# Altium PCB BCS1_REV2.2.PcbDoc (part 1 of 4)
Units mm, origin at the board's own origin, x right, y up, seen from the top; angles counter-clockwise.
Board outline 86.39 x 54.64 mm, 8 copper layers (TOP, LAYER 2 (Plane1), LAYER 3, LAYER 4_PWR1, LAYER 5_PWR2, LAYER 6, LAYER 7 (Plane2), BOTTOM), stack 1.674 mm thick; 201 components, 237 nets, 906 pads, 504 vias.
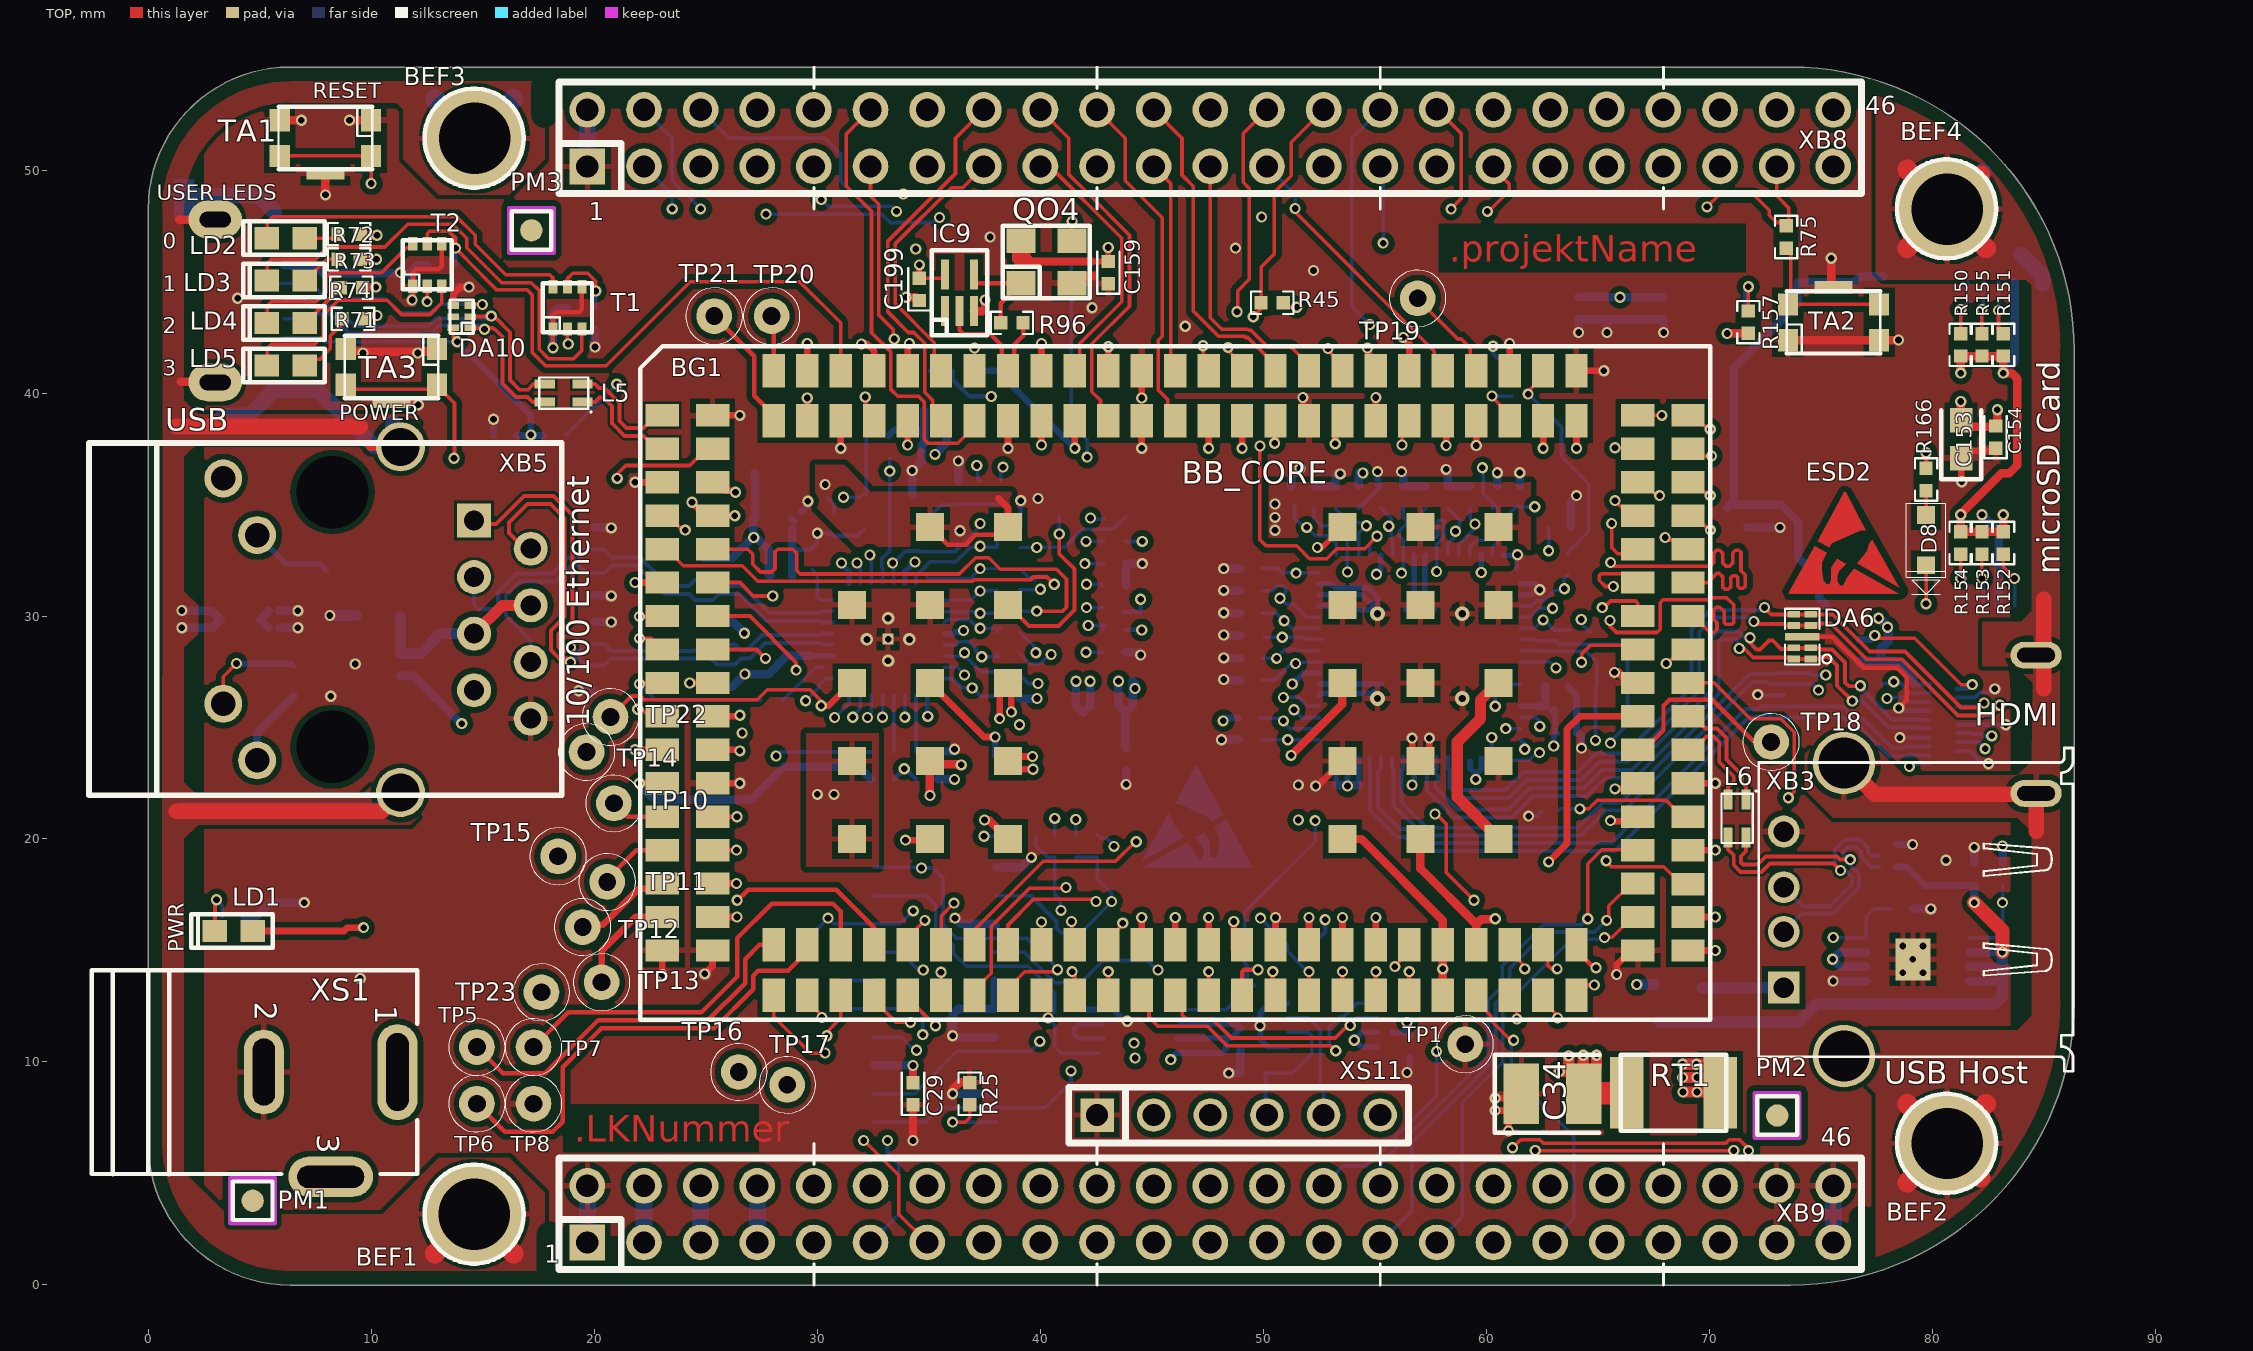
[diagram p0: TOP view]
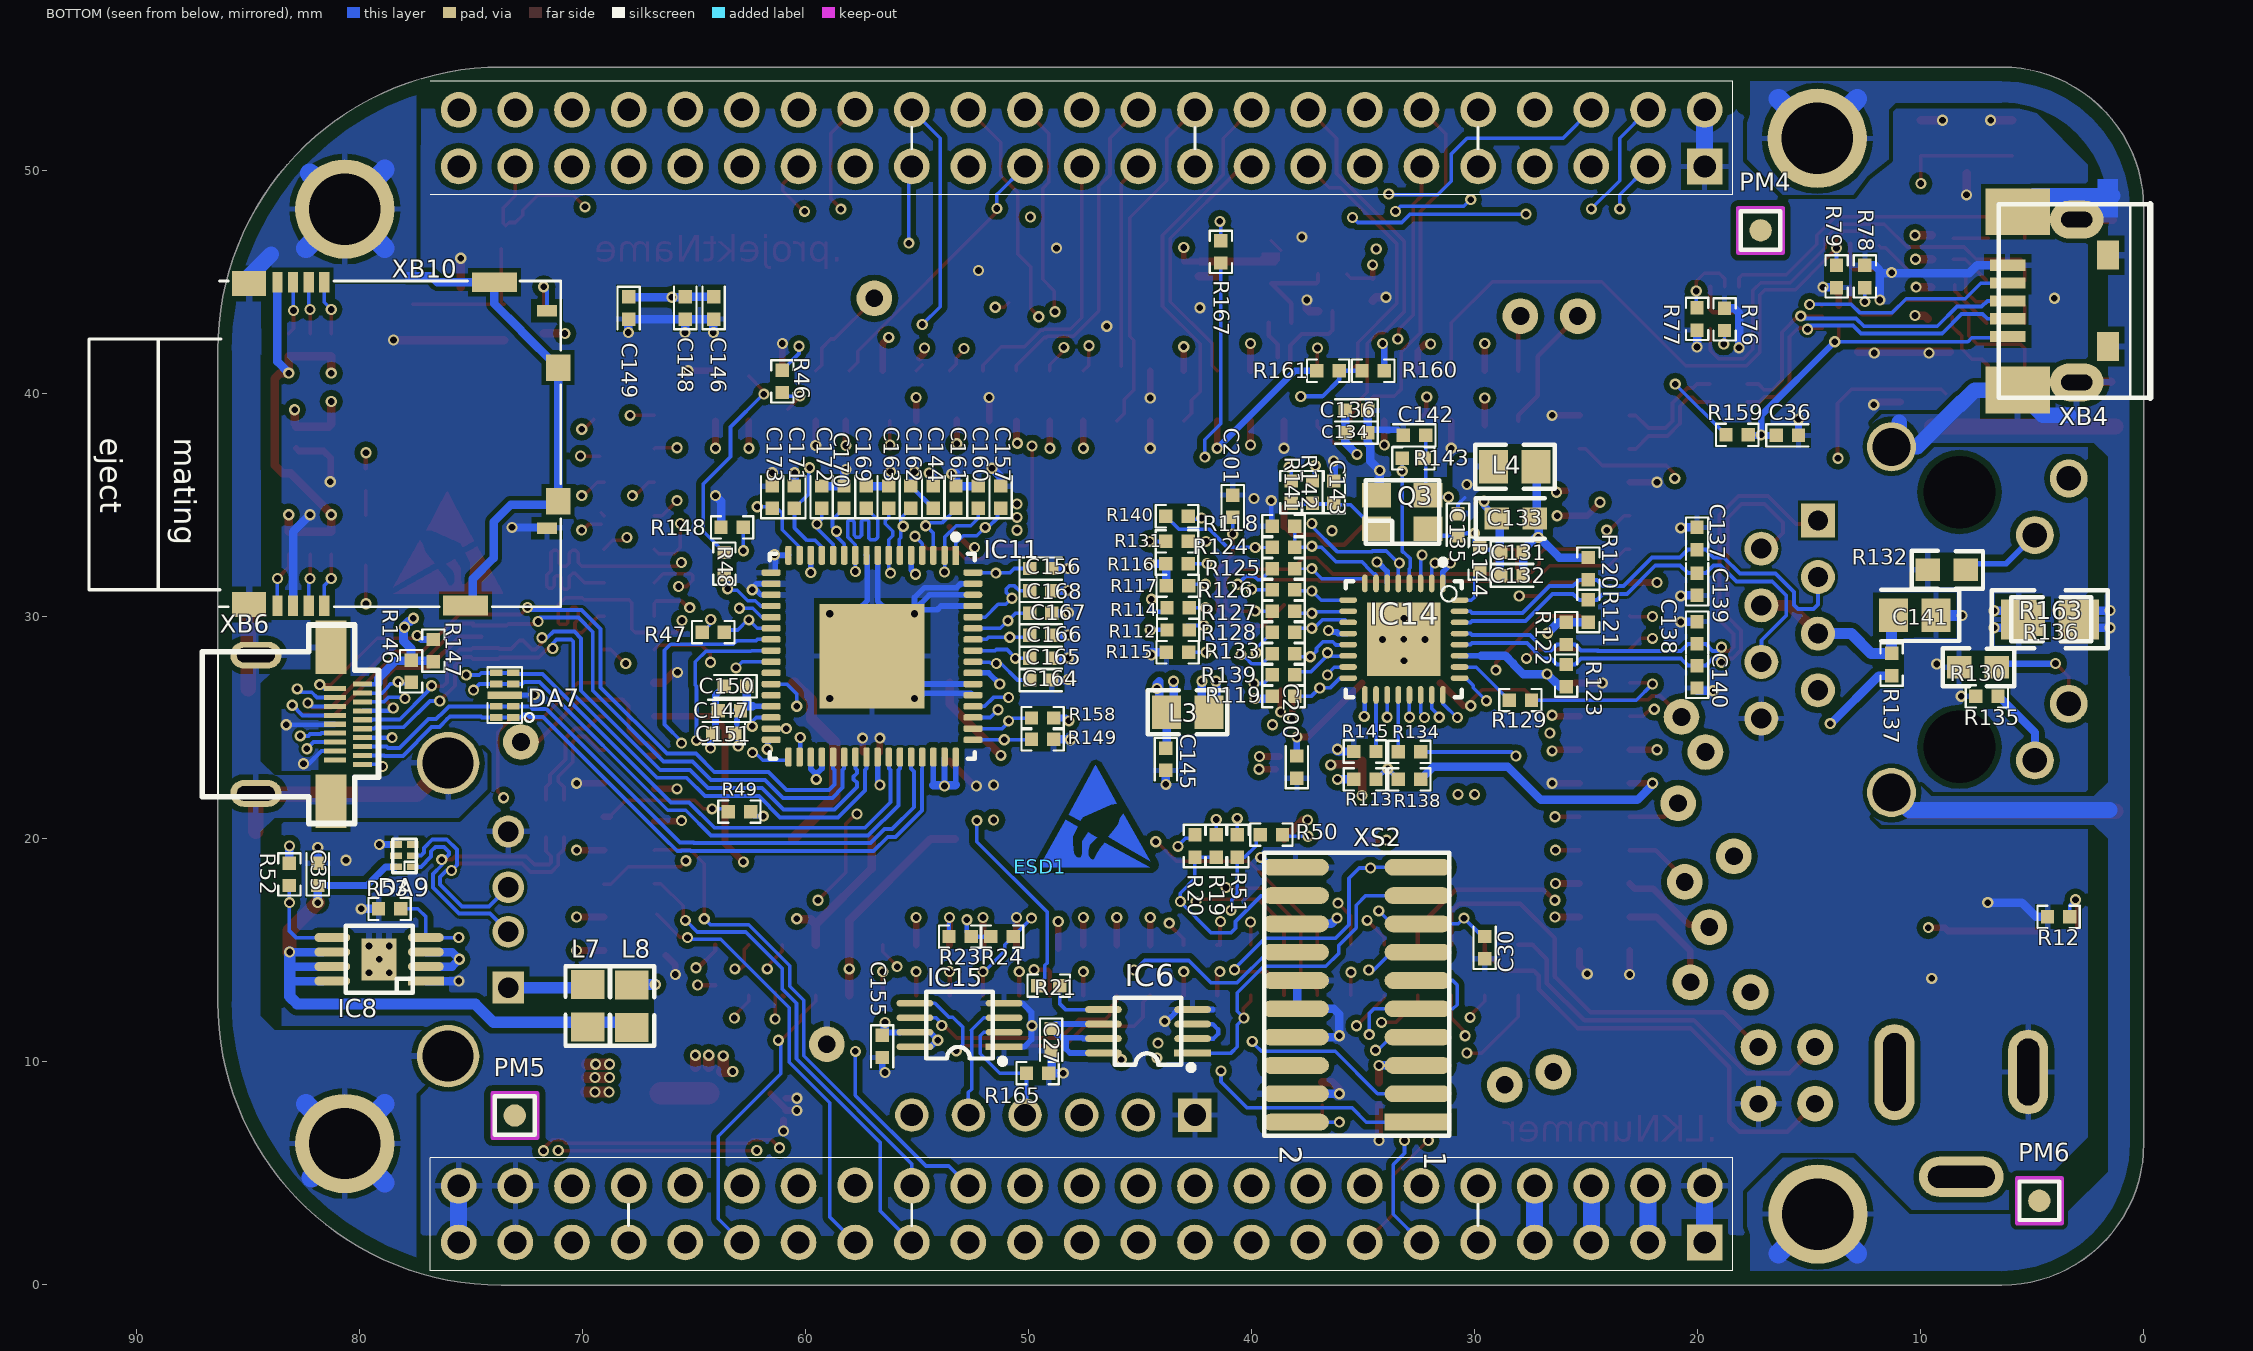
[diagram p1: BOTTOM view, seen from below]
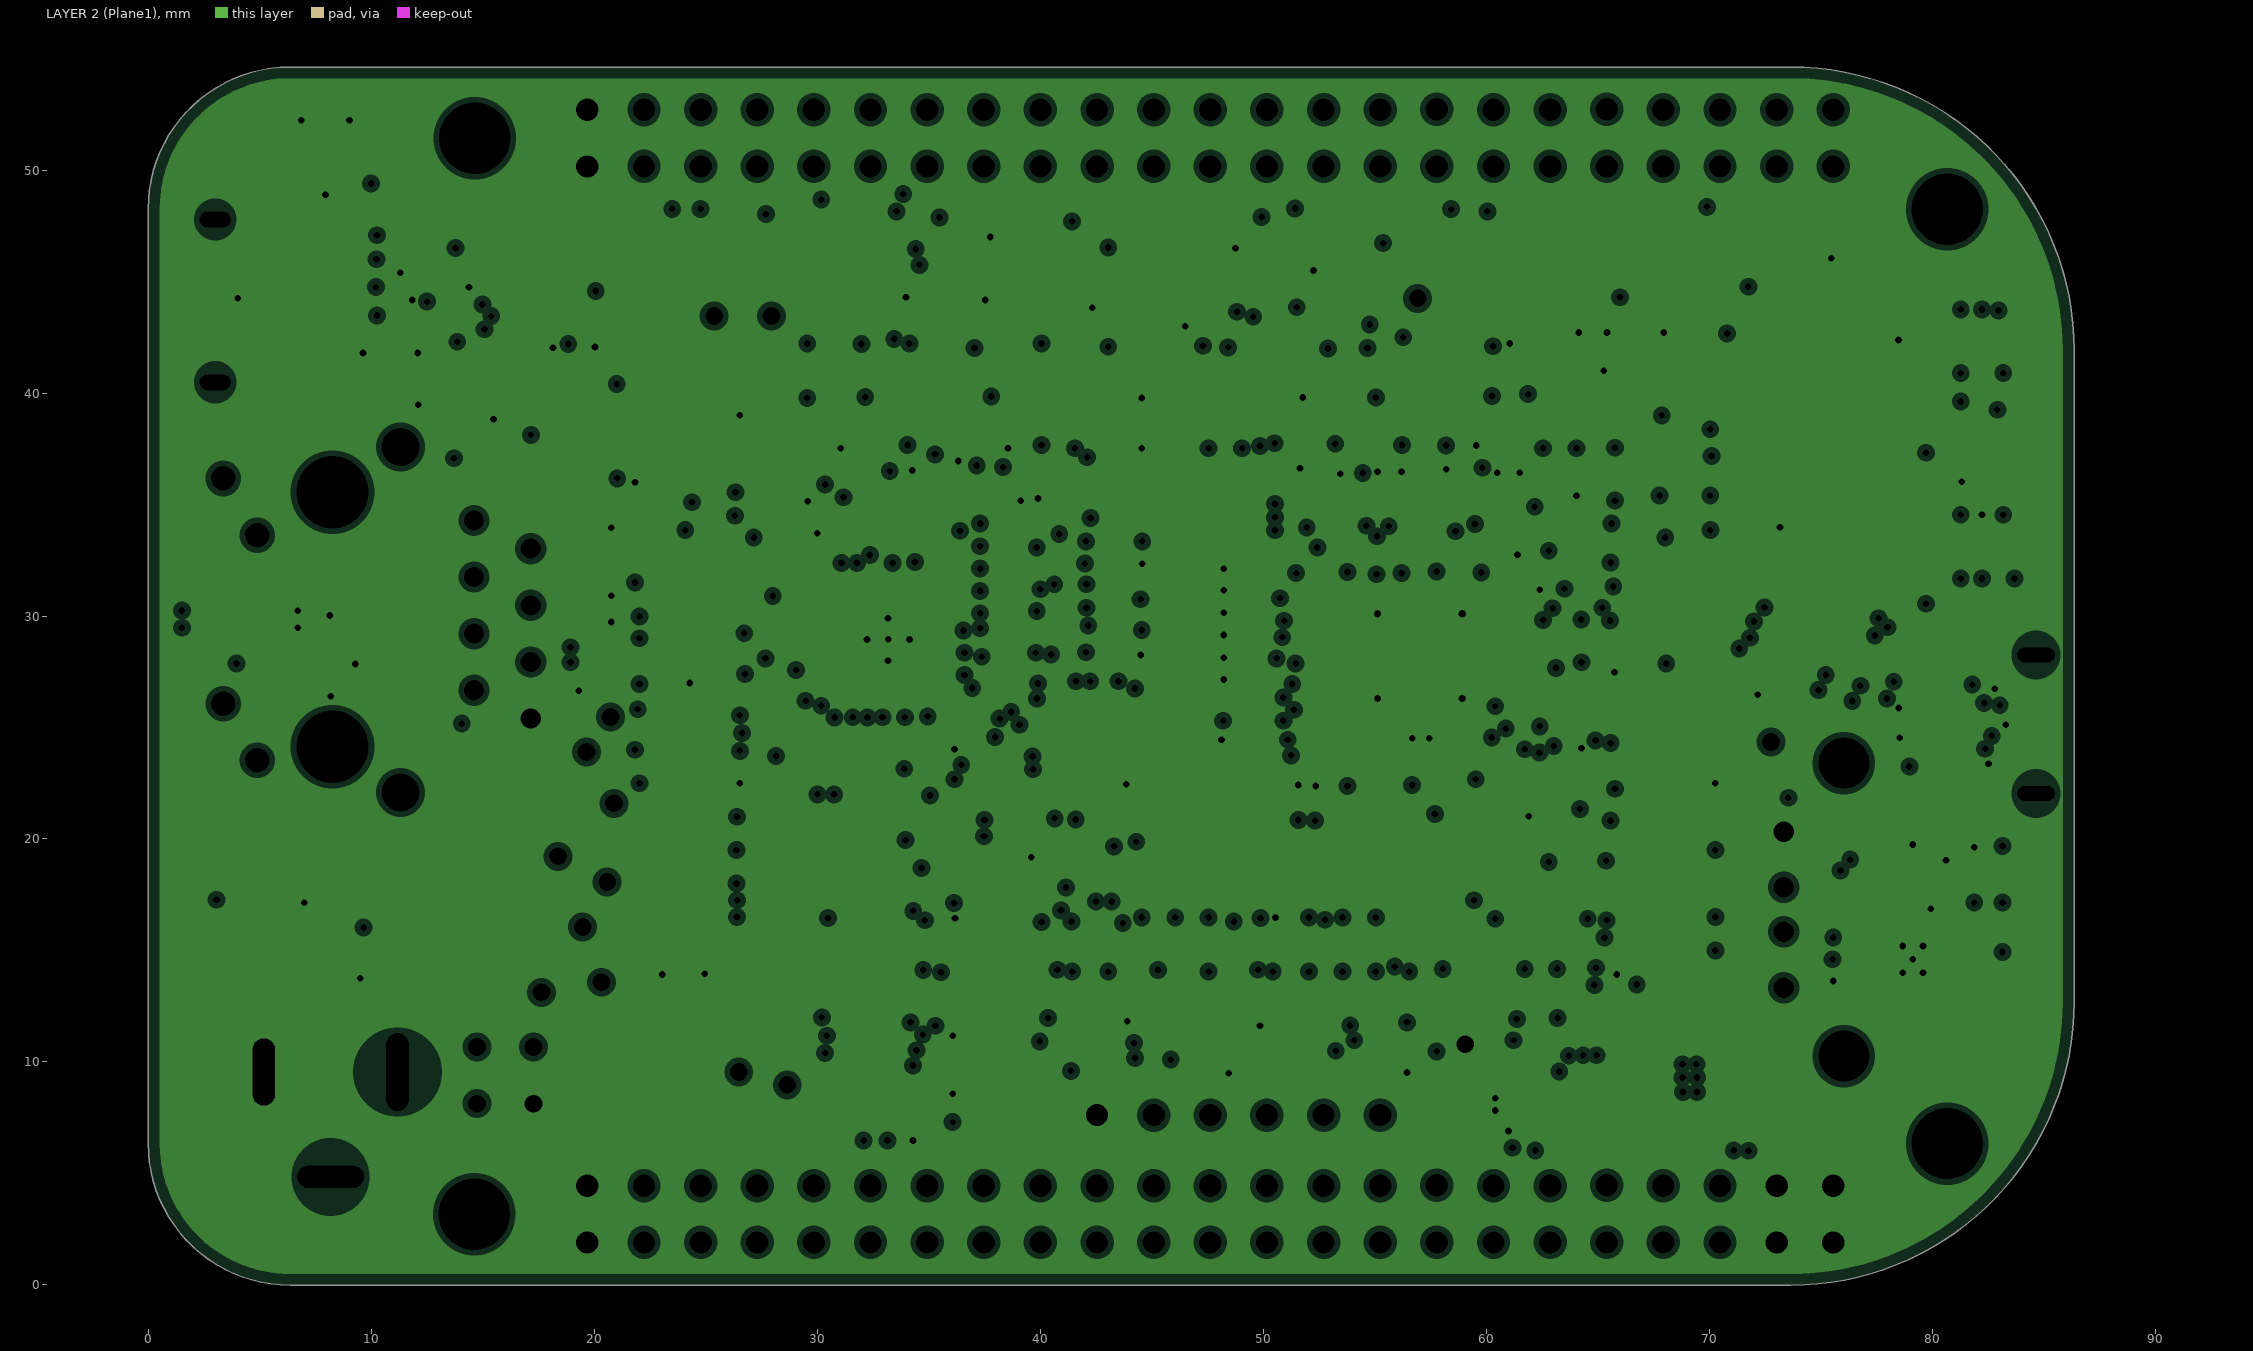
[diagram p2: LAYER 2 (Plane1), clearances drawn from the general rule]
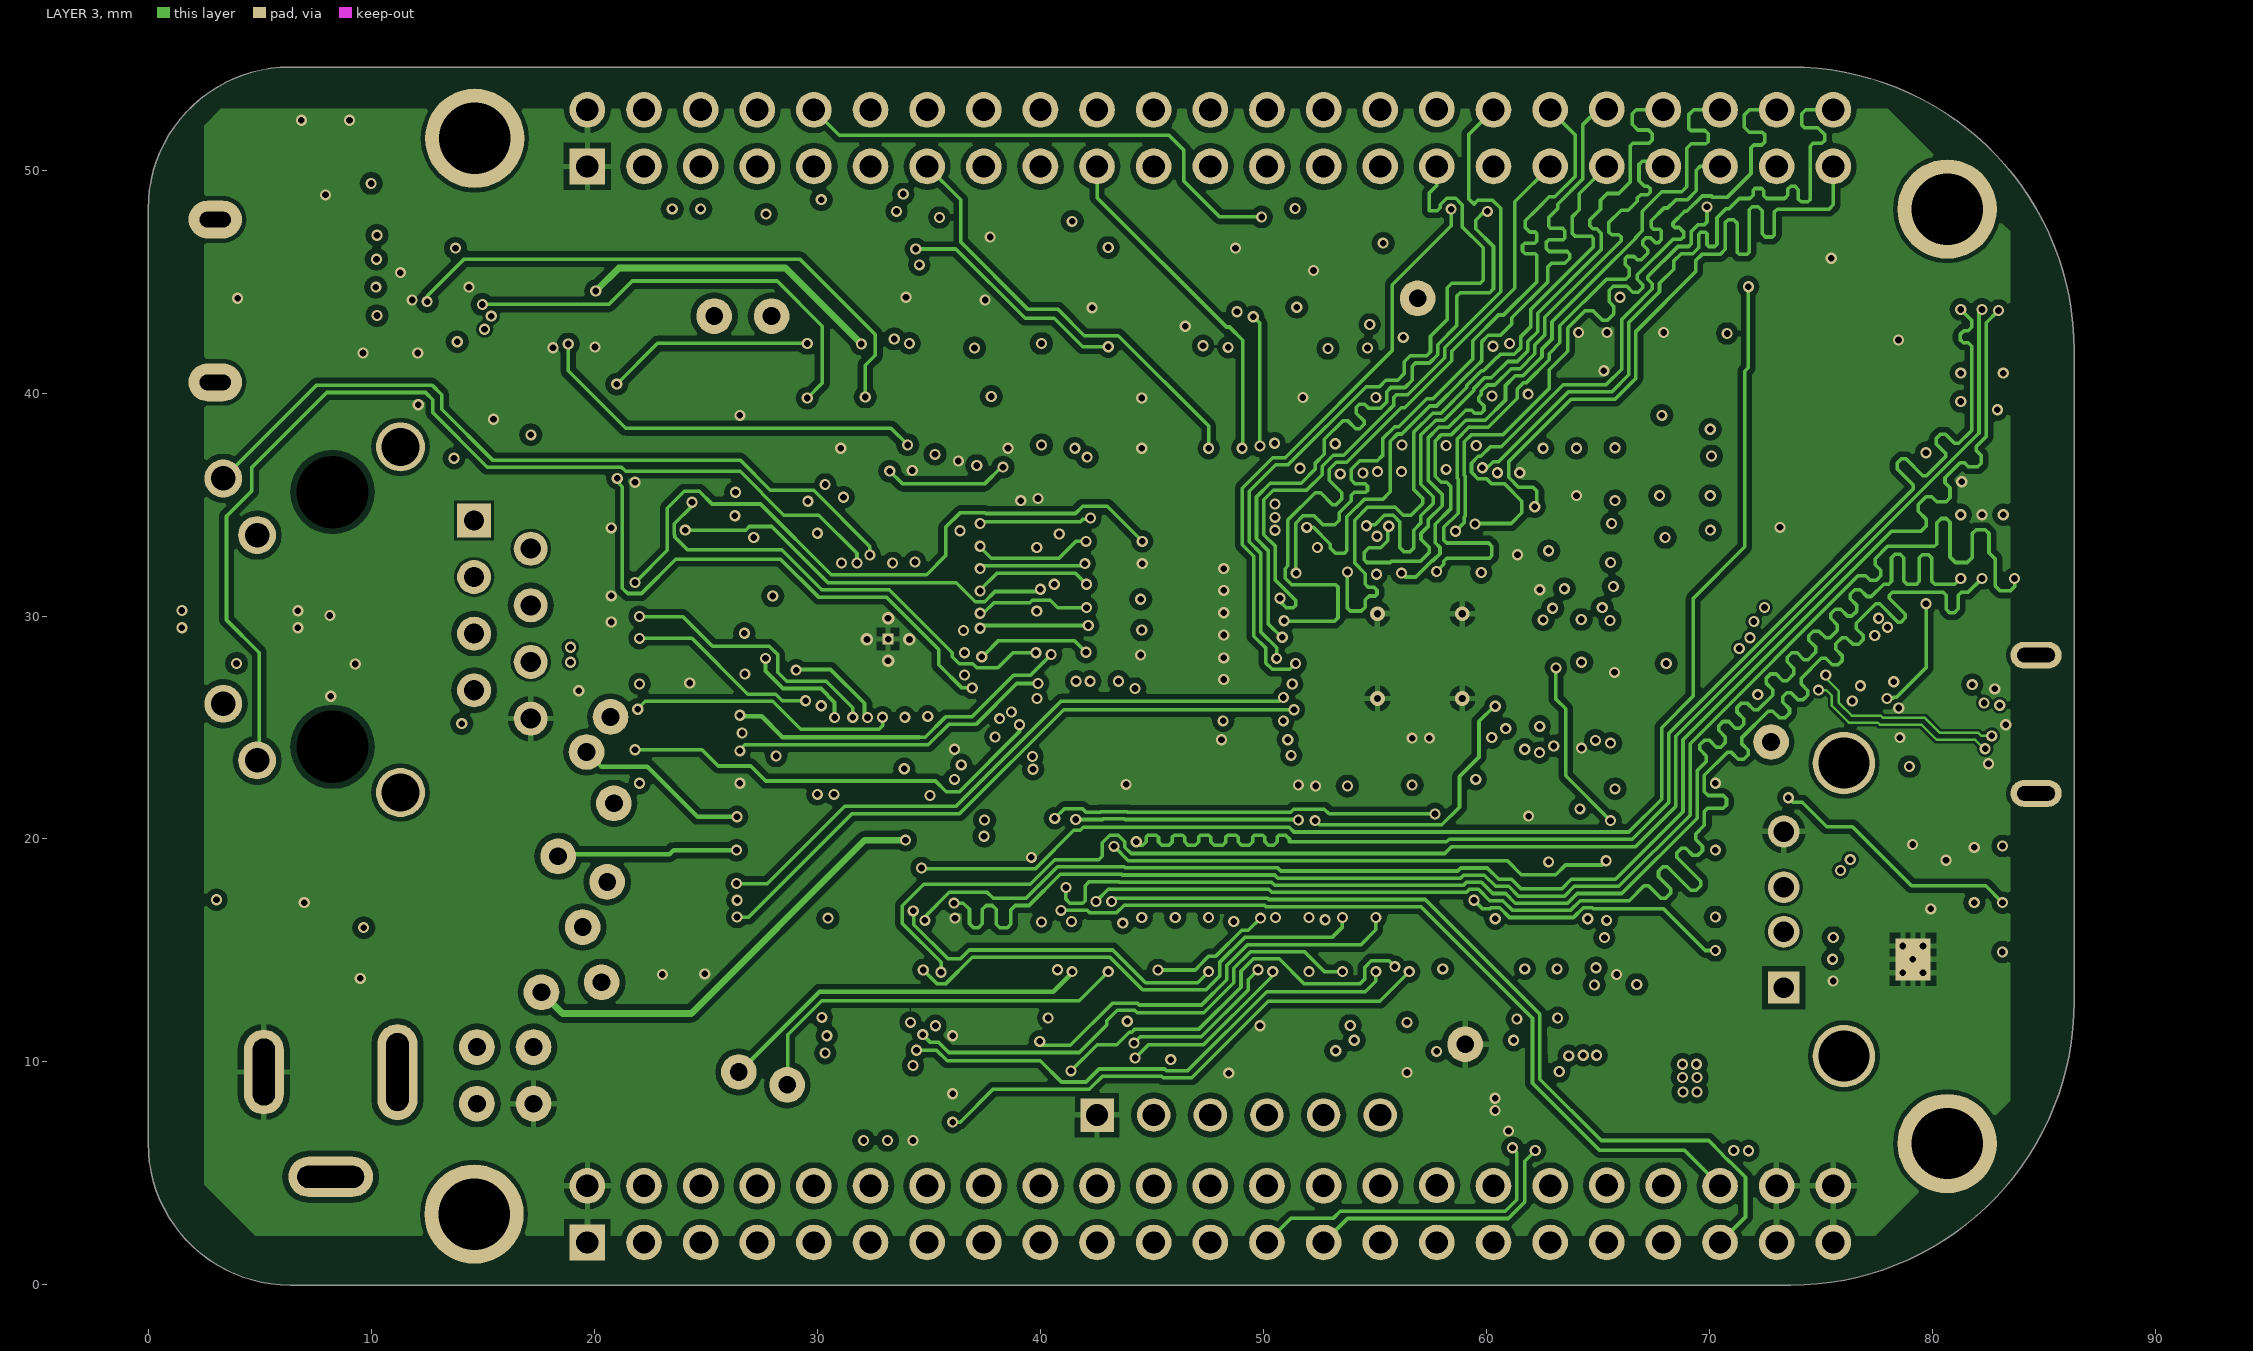
[diagram p3: LAYER 3]
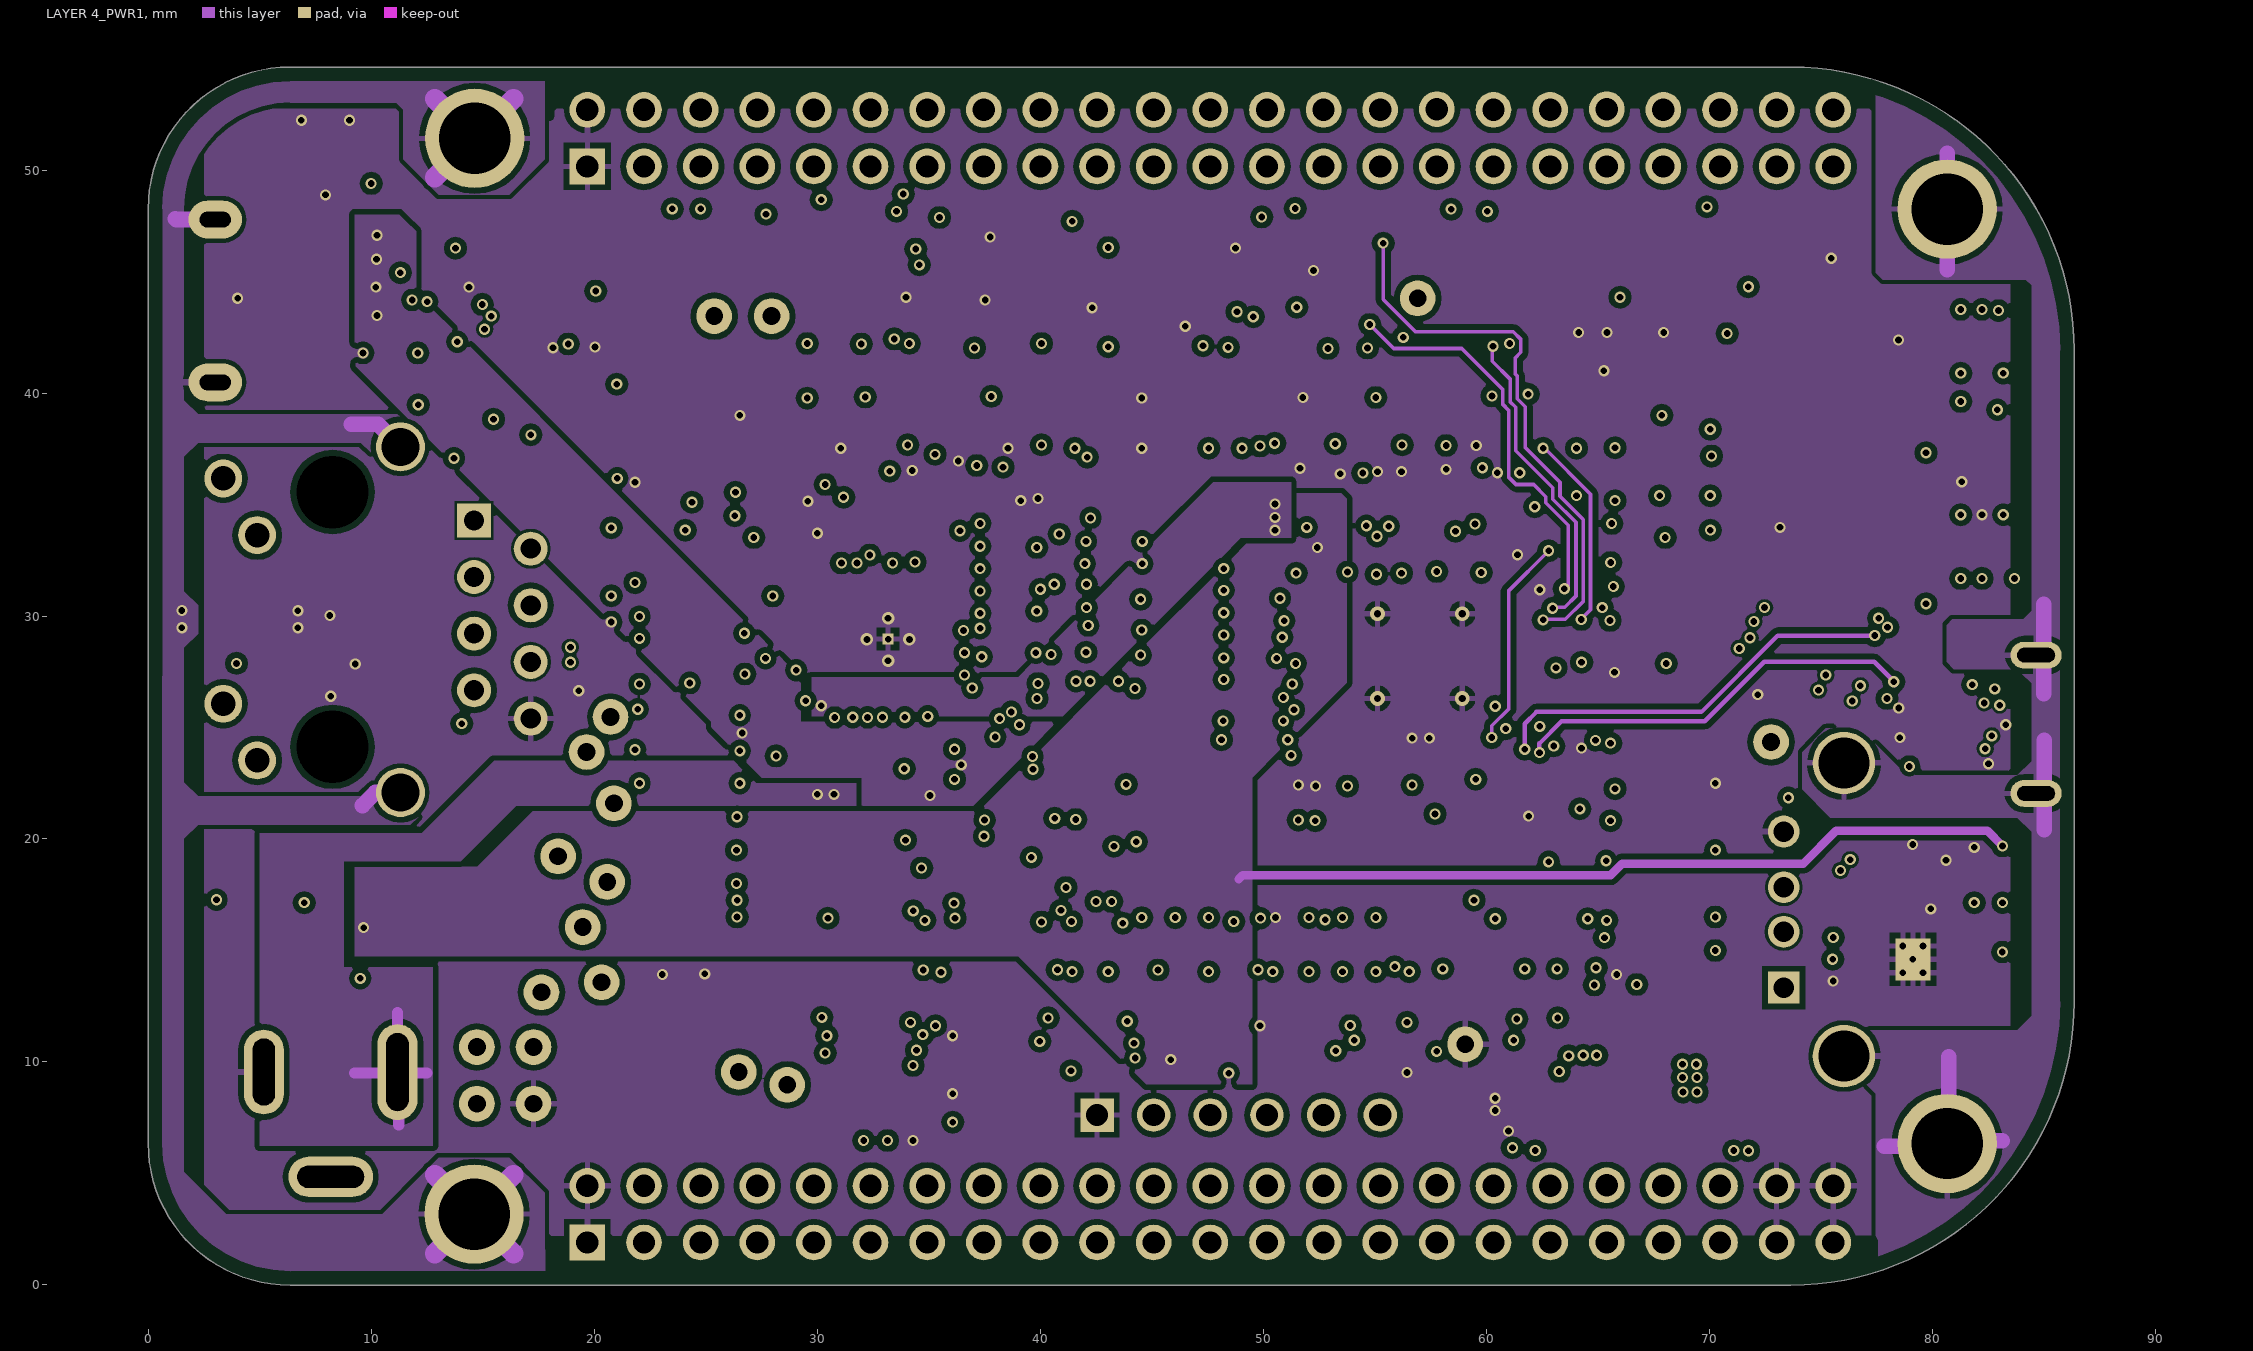
[diagram p4: LAYER 4_PWR1]